# Altium PCB Sheet1.PcbDoc (continued)
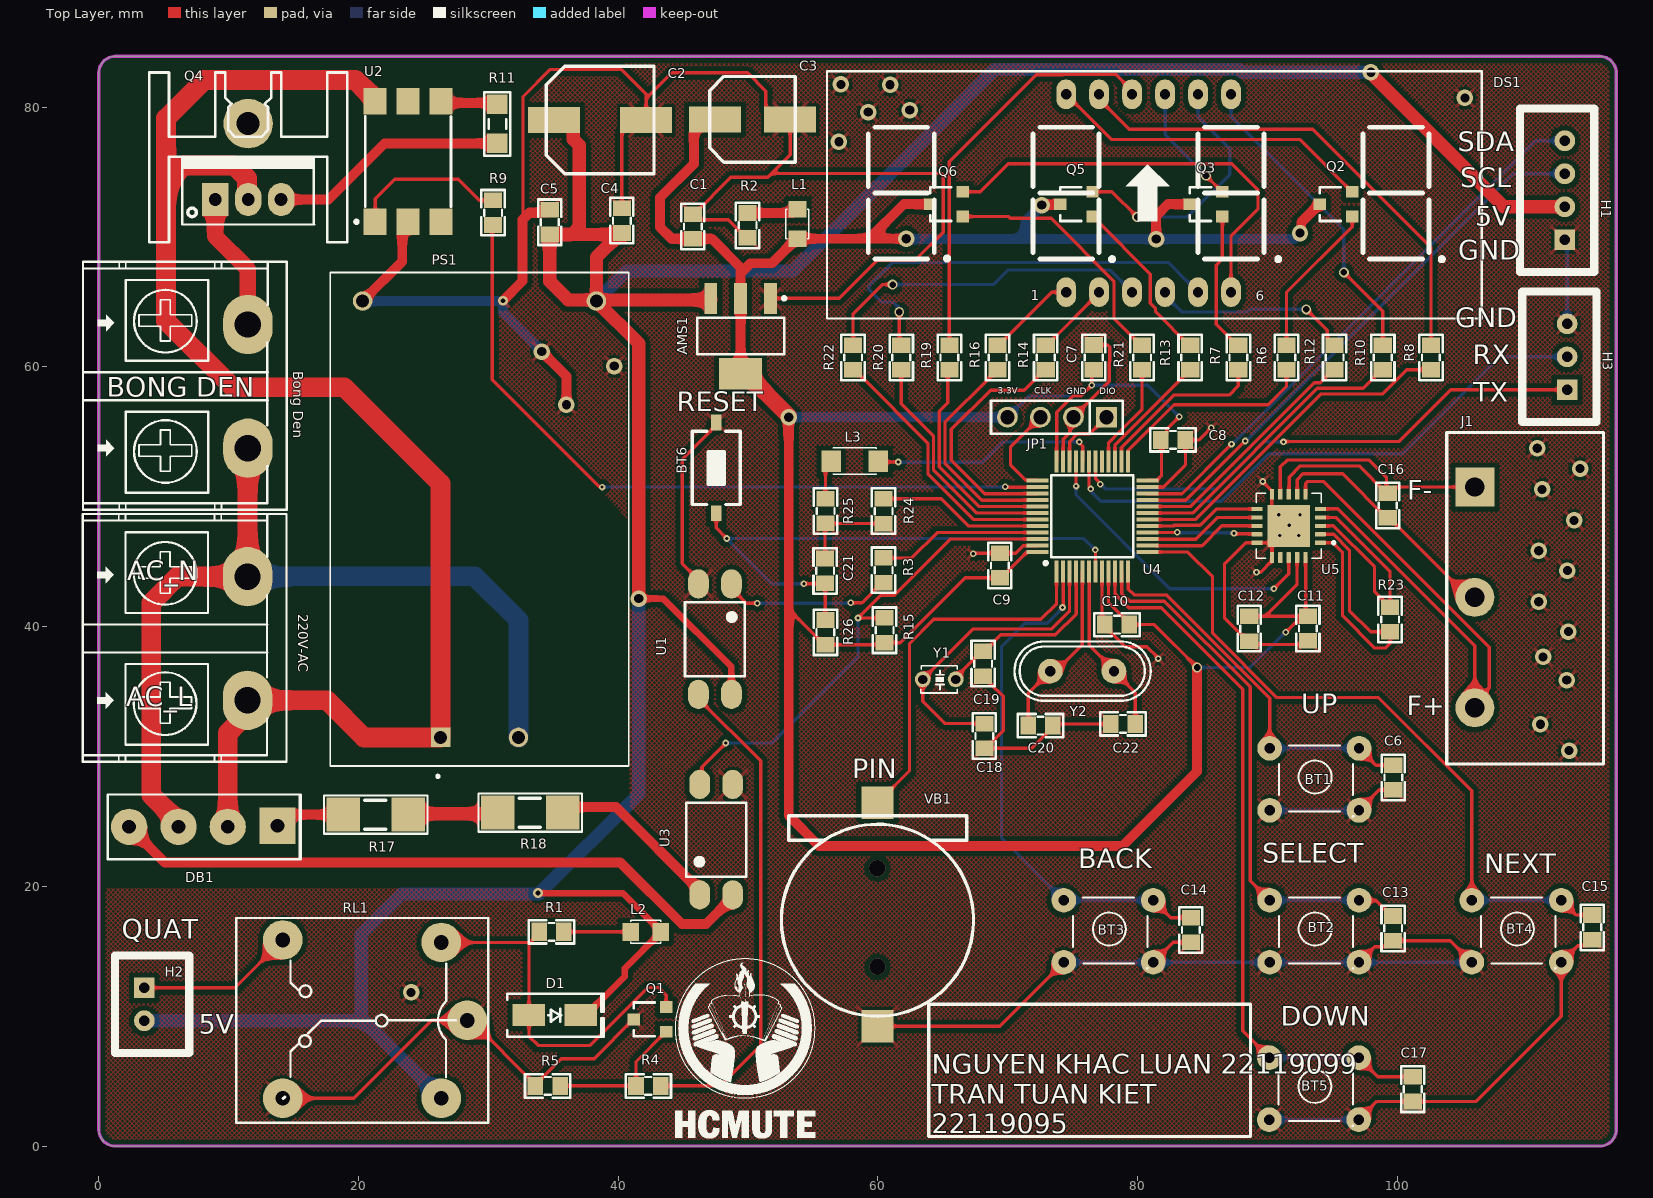
[diagram p0: Top Layer view]
## Part data (continued)
R1 R4 R15: library part "Tro 0805 5% 1k", "Dán", Chung_Loai=Dán, Don_Vi=Con, Ma_Hang=MH005234, So_Chan=2, Ten_Linh_Kien="Trở 0805 5% 1k"
R2: library part "Tro 0805 5% 100R", "Dán", Chung_Loai=Dán, Don_Vi=Con, Ma_Hang=MH005251, So_Chan=2, Ten_Linh_Kien="Trở 0805 5% 100R"
R3 R25: library part "Tro 0805 5% 220R", "Dán", Chung_Loai=Dán, Don_Vi=Con, Ma_Hang=MH005259, So_Chan=2, Ten_Linh_Kien="Trở 0805 5% 220R"
R5: library part "Tro 0805 5% 4.7k", "Dán", Chung_Loai=Dán, Don_Vi=Con, Ma_Hang=MH005307, So_Chan=2, Ten_Linh_Kien="Trở 0805 5% 4.7k"
R6 R7 R9 R13 R21: library part "Tro 0805 5% 150R", "Dán", Chung_Loai=Dán, Don_Vi=Con, Ma_Hang=MH005255, So_Chan=2, Ten_Linh_Kien="Trở 0805 5% 150R"
R8 R10 R12 R14 R16 R19 R20 R22: library part "Tro 0805 5% 75R", "Dán", Chung_Loai=Dán, Don_Vi=Con, Ma_Hang=MH005328, So_Chan=2, Ten_Linh_Kien="Trở 0805 5% 75R"
R11: library part "Tro 1206 5% 680R", "Dán", Chung_Loai=Dán, Don_Vi=Con, Ma_Hang=MH005928, So_Chan=2, Ten_Linh_Kien="Trở 1206 5% 680R"
R17 R18: library part "Tro 2010 5% 10k", "Dán", Chung_Loai=Dán, Don_Vi=Con, Ma_Hang=MH005617, So_Chan=2, Ten_Linh_Kien="Trở 2010 5% 103-10k"
R23: library part "Tro 0805 5% 470R", "Dán", Chung_Loai=Dán, Don_Vi=Con, Ma_Hang=MH005341, So_Chan=2, Ten_Linh_Kien="Trở 0805 5% 470R"
R24 R26: library part "Tro 0805 5% 10k", "Dán", Chung_Loai=Dán, Don_Vi=Con, Ma_Hang=MH005239, So_Chan=2, Ten_Linh_Kien="Trở 0805 5% 10k"
RL1: library part "Relay 5 Chan SRD", "Relay 5 Chan", Ma_Hang=MH009374, Ten="Relay 5V10A SRD-05VDC-SL-C Chính Hãng"
U1 U3: "Single Opto"
U4: library part IC_STM32F103C8T6, "ARM® Cortex®-M3 STM32F1 Microcontroller IC 32-Bit 72MHz 64KB (64K x 8) FLASH 48-LQFP (7x7)", Alternate Part Number-1=NA, Case/Package=LQFP48, Manufacturer=STMicroelectronics, Manufacturer Part Number=STM32F103C8T6, Supplier Part Number-1=STM32F103C8T6, Supplier-1=LCSC
U5: "RTD-to-Digital Converter", Package="QFN-20 Maxim", Check_prices=https://www.snapeda.com/parts/MAX31865ATP+T/Analog+Devices/view-part/?ref=eda, MF="Analog Devices", MP=MAX31865ATP+T, SnapEDA_Link=https://www.snapeda.com/parts/MAX31865ATP+T/Analog+Devices/view-part/?ref=snap
VB1: library part "De pin CR1220 SMD", Ma_Hang=MH000833, Ten="Đế PIN CR1220 SMD"
Y1: library part "Thach Anh 2 chan 32,768 Khz", "Crystal For all Crystal 2pin."
Y2: library part "Thach Anh 2 chan Cam", "Crystal For all Crystal 2pin."
BT6: Ma_Hang=MH001036, Ten="Nút Nhấn 2 Chân 3x6x2.5MM SMD"

## Via types
v1: diameter 0.508, hole 0.254, Top Layer to Bottom Layer, tented both sides, 29 vias
v2: diameter 1.27, hole 0.711, Top Layer to Bottom Layer, tented both sides, 29 vias
v3: diameter 0.762, hole 0.508, Top Layer to Bottom Layer, tented both sides, 7 vias
v4: diameter 0.508, hole 0.254, Top Layer to Bottom Layer, 5 vias
v5: diameter 0.762, hole 0.381, Top Layer to Bottom Layer, tented both sides, 2 vias
v6: diameter 1.27, hole 1.27, Top Layer to Bottom Layer, tented both sides, 2 vias

## Nets (pads, with @x,y where several pads share a name; then routed paths per layer and width w, separated by ;. In a path a pad name is that pad's centre, name@x,y a point inside that pad or via, vN(x,y) a via of type N, cw(c..) or ccw(c..) an arc to the next point about the centre after c; other vN are vias at no path point)
3.3V: AMS1.2 AMS1.4 C1.1 C3.1 C7.1 C8.1 C9.1 C10.1 C11.1 C12.1 JP1.4 L1.1 Q2.2 Q3.2 Q5.2 Q6.2 R15.2 R26.2 U4.9 U4.24 U4.36 U4.48 U5.19 U5.20 | length 272.7
  Top Layer w0.254: 53.137,41.332 55.856,38.613 R26.2 60.26,38.613 60.418,38.771 R15.2 61.733,38.771 66.72,43.758 C9.1 69.496,43.758 71.462,45.724 72.253,45.724 U4.48 ; U4.36 73.764,56.511 75.038,57.785 75.667,57.785 v1(76.479,58.598) 76.479,59.643 C7.1 ; U4.9 77.764,41.852 78.882,40.734 C10.1@78.882,40.634 ; C10.1 81.277,40.161 v3(84.582,36.855) ; U4.24 80.775,51.27 81.475,51.27 81.835,51.629 81.835,54.326 C8.1 82.255,54.851 82.255,55.204 v1(83.21,56.159) ; C12.1 89.814,40.792 ; v1(91.415,39.573) 92.22,40.378 92.543,40.378 92.634,40.469 C11.1@92.634,40.792 ; U5.19 92.278,45.316 92.278,43.256 89.814,40.792 ; U5.20 92.94,40.989 C11.1 93.096,40.792 C11.1@92.634,40.792 ; 89.814,40.792 C11.1@92.634,40.792
  Top Layer w0.762: C3.1 46.443,79.07 45.824,78.451 45.824,75.643 43.231,73.05 43.231,70.764 44.126,69.87 C1.1 47.224,69.87 49.428,67.666 49.428,67.234 ; AMS1.4 AMS1.2 49.428,67.234 ; v2(53.137,56.134) 53.137,41.332 53.137,25.451 55.474,23.114 78.842,23.114 84.582,28.854 v3(84.582,36.855) ; v2(62.187,69.868) 62.179,69.875 59.334,69.875 ; Q6.2 62.001,72.542 59.334,69.875 ; v2(72.619,72.466) 72.657,72.504 73.993,72.504 Q5.2 ; v2(81.432,69.85) 81.432,71.628 82.347,72.542 Q3.2 ; v2(92.507,70.307) 92.604,70.404 92.604,71.146 94,72.542 Q2.2 ; 49.428,67.234 49.644,67.45 50.182,67.988 51.846,67.988 53.734,69.875 L1.1 59.334,69.875
  Top Layer w1.27: AMS1.4 49.878,59.482 53.137,56.224 v2(53.137,56.134)
  Bottom Layer w0.254: JP1.4 71.603,57.76 75.641,57.76 v1(76.479,58.598) 80.772,58.598 v1(83.21,56.159) ; v3(84.582,36.855) 88.646,36.855 91.364,39.573 v1(91.415,39.573)
  Bottom Layer w0.762: v2(53.137,56.134) JP1.4@69.774,56.134 ; v2(62.187,69.868) 62.205,69.85 71.349,69.85 ; v2(72.619,72.466) 71.349,71.196 71.349,69.85 ; v2(92.507,70.307) 92.507,70.296 92.06,69.85 v2(81.432,69.85) 71.349,69.85
5V: AMS1.3 C2.1 C4.2 C5.1 D1.2 H1.2 H2.2 L2.1 PS1.4 RL1.5 U1.4 | length 253.8
  Top Layer w0.508: v5(33.833,19.482) 40.349,19.482 43.268,16.563 L2.1 43.268,16.436 40.506,13.674 40.506,13.061 37.528,10.084 D1.2 ; v2(41.58,42.164) 43.459,42.164 48.717,36.906 U1.4
  Top Layer w1.016: C2.1 36.052,79.019 36.544,78.527 36.544,77.527 37.002,77.069 37.002,70.795 36.407,70.2 ; C4.2 40.181,70.318 C4.2@40.063,70.2 ; v2(41.58,42.164) 41.58,61.815 PS1.4 ; AMS1.3 47.128,65.175 47.12,65.167 38.413,65.167 PS1.4 ; v2(97.968,82.702) 97.866,82.702 97.866,82.677 108.204,72.339 H1.2 ; 36.407,70.2 C5.1 34.725,66.595 36.153,65.167 38.227,65.167 PS1.4 ; 36.407,70.2 C4.2@40.063,70.2 ; PS1.4 38.32,68.457 C4.2@40.063,70.2
  Bottom Layer w1.016: H2.2 20.404,9.651 ; RL1.5 20.404,9.651 ; v5@33.833,19.406 23.292,19.406 20.218,16.332 20.218,9.836 20.404,9.651 ; v5@33.896,19.418 41.58,27.102 v2(41.58,42.164) ; PS1.4 40.631,67.386 53.442,67.386 68.961,82.906 87.829,82.906 88.033,82.702 v2(97.968,82.702)
a: R8.1 U4.18 | length 26.6
  Top Layer w0.254: U4.18 84.442,48.247 94.107,57.912 98.857,57.912 100.731,59.786 R8.1
b: R10.1 U4.19 | length 22.7
  Top Layer w0.254: U4.19 84.231,48.747 93.853,58.369 97.365,58.369 98.782,59.786 R10.1
BACK: BT3.1 C14.2 U4.2 | length 40.6
  Top Layer w0.254: v1(74.219,41.478) 74.264,41.524 U4.2 ; BT3.1@81.204,18.929 82.541,17.591 C14.2
  Bottom Layer w0.254: v1(74.219,41.478) 74.219,41.453 73.025,40.259 71.323,40.259 69.52,38.456 69.52,23.73 74.32,18.929 BT3.1@81.204,18.929
BIAS: R23.2 U5.1 U5.2 | length 23.8
  Top Layer w0.254: U5.1 95.016,46.462 95.783,45.695 95.783,40.843 98.273,38.354 99.085,38.354 99.441,38.71 R23.2 97.942,39.599 96.317,41.224 96.317,45.898 95.102,47.112 U5.2
BOOT0: R24.1 U4.44 | length 12.7
  Top Layer w0.254: R24.1 64.891,49.841 66.985,47.747 U4.44
BUSY: U4.33 U5.18 | length 23.7
  Top Layer w0.254: v1(75.26,50.825) 75.262,50.827 75.262,52.733 U4.33 ; v1(90.5,42.926) 91.64,44.066 U5.18 U5.18@91.616,45.304
  Bottom Layer w0.254: v1(75.26,50.825) 75.26,50.14 82.474,42.926 v1(90.5,42.926)
c: R12.1 U4.20 | length 18.8
  Top Layer w0.254: U4.20 84.071,49.247 93.599,58.776 94.063,58.776 95.074,59.786 R12.1
CR0: R15.1 U3.4 U4.46 | length 38.3
  Top Layer w0.254: U3.4 46.442,28.01 46.442,29.17 48.285,31.013 v1(48.285,31.039) ; v1(58.471,40.665) v1@58.477,40.671 ; R15.1 60.512,40.665 58.482,40.665 v1@58.477,40.671 ; U4.46 65.569,46.747 61.214,42.393 60.198,42.393 v1@58.477,40.671
  Bottom Layer w0.254: v1(48.285,31.039) 51.841,31.039 58.471,37.668 v1(58.471,40.665)
CS: U4.14 U5.13 | length 8.4
  Top Layer w0.254: U4.14@81.419,46.253 81.444,46.228 84.963,46.228 86.497,47.762 U5.13
d: R14.1 U4.39 | length 19.2
  Top Layer w0.254: U4.39 70.568,50.247 70.565,50.243 68.222,50.243 65.659,52.807 65.659,55.194 68.682,58.217 71.254,58.217 72.823,59.786 R14.1
DOWN: BT5.1 C17.2 U4.10 | length 55.5
  Top Layer w0.254: U4.10 78.264,42.538 78.381,42.421 78.381,42.385 79.313,41.453 81.813,41.453 88.087,35.179 88.087,8.865 BT5.1@90.145,6.807 ; BT5.1@97.028,6.807 98.501,5.334 C17.2
  Bottom Layer w0.254: BT5.1@90.145,6.807 BT5.1@97.028,6.807
dp: R22.1 U4.43 | length 20.3
  Top Layer w0.254: R22.1 58.19,59.786 58.663,59.313 63.856,54.121 63.856,51.782 67.39,48.247 U4.43
e: R16.1 U4.40 | length 17.2
  Top Layer w0.254: R16.1 69.115,59.786 68.642,59.313 68.642,59.213 65.166,55.737 65.166,52.593 68.011,49.747 U4.40
f: R19.1 U4.41 | length 16.6
  Top Layer w0.254: R19.1 65.38,59.659 65.38,57.226 64.725,56.572 64.725,52.326 67.804,49.247 U4.41
g: R20.1 U4.42 | length 18.1
  Top Layer w0.254: R20.1 61.798,57.15 64.287,54.661 64.287,52.057 67.597,48.747 U4.42
GND: AMS1.1 BT1.2 BT2.2 BT3.2 BT4.2 BT5.2 BT6.1 C1.2 C2.2 C3.2 C4.1 C5.2 C6.1 C7.2 C8.2 C9.2 C10.2 C11.2 C12.2 C13.1 C14.1 C15.1 C17.1 C18.2 C19.2 C20.2 C21.2 C22.2 H1.1 H3.3 JP1.2 PS1.3 Q1.2 R2.1 R5.1 R24.2 R25.1 RL1.1 RL1.2 U1.2 U2.2 U3.3 U4.8 U4.23 U4.35 U4.47 U5.10 U5.15 U5.16 U5.21 VB1.2 | length 378.5
  Top Layer w0.254: RL1.2 19.633,3.682 25.633,9.682 RL1.1 28.68,9.682 R5.1@33.624,4.738 ; 32.854,71.564 32.671,71.747 32.671,80.829 34.747,82.906 40.259,82.906 42.152,81.013 42.152,80.684 ; R5.1 R5.1@33.624,4.738 ; C4.1 40.281,78.146 41.154,79.019 C2.2 42.152,80.684 ; Q1.2 41.168,9.754 38.146,6.731 35.617,6.731 R5.1@33.624,4.738 ; C1.2@45.3,72.218 C1.2 ; U1.2@45.682,43.226 U1.2@45.746,43.29 ; U1.2 46.177,43.615 44.933,44.859 44.933,52.906 47.549,55.522 BT6.1 ; R2.1 49.862,69.957 48.47,71.349 46.17,71.349 C1.2 ; AMS1.1 57.027,65.282 59.961,68.216 62.857,68.216 65.024,70.383 65.024,74.756 64.875,74.905 51.816,74.905 ; R25.1@55.602,47.949 R25.1@55.702,47.949 ; C21.2 55.934,47.917 R25.1 55.975,47.941 R24.2 ; VB1.2 69.397,9.231 BT3.2@74.32,14.154 ; v1(67.335,45.618) 67.375,45.658 C9.2 C9.2@69.574,45.658 ; C19.2 68.197,36.195 68.67,35.722 68.67,35.622 69.647,34.646 69.647,31.985 C18.2@68.299,30.637 ; C18.2 C18.2@68.299,30.637 ; C9.2@69.396,45.481 69.485,45.569 C9.2@69.574,45.658 ; C9.2@69.869,45.954 C9.2@69.574,45.658 ; U4.47 72.253,46.224 71.192,46.224 70.627,45.658 C9.2@69.574,45.658 ; U4.35 74.264,54.427 74.799,54.962 74.799,55.876 JP1.2 77.826,58.903 77.826,60.389 77.855,60.418 77.855,61.54 77.706,61.689 C7.2 ; U4.8 77.264,41.433 77.264,40.252 79.061,38.456 80.721,38.456 81.585,37.592 v1(81.585,37.541) ; C22.2 73.609,32.511 C20.2 73.482,32.284 71.836,30.637 C18.2@68.299,30.637 ; U4.23 81.983,50.747 83.682,52.446 C8.2 84.731,54.378 v1(85.674,55.321) ; BT3.2@81.204,14.154 82.741,15.691 C14.1 C14.1@84.203,15.691 ; v1(89.154,44.196) 89.468,44.196 90.34,45.067 U5.16 90.34,46.462 U5.15 88.347,46.462 86.69,44.806 86.69,40.697 88.495,38.892 C12.2 88.854,38.633 92.837,38.633 C11.2 ; v1@89.637,51.308 v1(89.637,51.181) 89.637,51.161 90.34,50.457 90.34,49.062 U5.21@90.834,48.568 ; v4(90.881,48.616) 91.669,47.828 v4(91.669,47.803) ; v4(90.957,47.015) 90.957,47.08 91.669,47.791 U5.21 ; BT5.2@97.028,2.032 98.43,3.434 C17.1 106.075,3.434 112.625,9.984 112.625,14.154 113.893,15.422 114.542,15.422 C15.1 ; BT2.2@97.053,14.154 98.245,15.345 99.2,15.345 C13.1 104.077,15.818 BT4.2@105.742,14.154 ; BT1.2@97.053,25.857 98.628,27.432 C6.1 ; 42.152,80.684 44.12,82.652 49.962,82.652 51.37,81.244 51.37,79.943 52.243,79.07 C3.2 53.243,76.331 51.816,74.905 ; C1.2 45.849,71.77 48.679,74.6 51.511,74.6 51.816,74.905
  Top Layer w0.762: PS1.3 23.368,68.123 23.368,70.726 U2.2 ; v5(31.115,65.1) 32.636,66.622 32.636,71.346 32.854,71.564 33.171,71.881 34.506,71.881 C5.2 ; v2(34.112,61.189) 34.112,61.112 34.188,61.112 36.017,59.284 v2(36.017,57.099) ; v4(92.405,47.015) 91.669,47.752 v4(91.669,47.803) 91.68,47.803 92.493,48.616 v4(92.507,48.616)
  Bottom Layer w0.254: BT3.2@74.32,14.154 81.204,14.154 90.17,14.154 97.053,14.154 BT4.2@105.742,14.154 ; BT5.2@90.145,2.032 BT5.2@97.028,2.032 ; BT1.2@90.17,25.857 BT1.2@97.053,25.857 ; H1.1 113.081,69.621 H3.3
  Bottom Layer w0.762: PS1.3 31.09,65.075 v5(31.115,65.1) 31.115,64.186 v2(34.112,61.189)
  other v2: 24.054,11.836 113.233,30.455 111.023,32.487 113.055,35.89 111.227,37.668 113.182,39.624 110.896,41.91 113.106,44.323 110.896,45.847 113.614,48.184 111.15,50.571 114.071,52.172 110.769,53.746 39.7,60.071 56.998,77.343 59.258,79.629 62.459,79.781 105.207,80.721 60.935,81.737 57.15,81.763
L: 220V-AC.2 DB1.2 PS1.1 Q4.2 U2.6 | length 114.8
  Top Layer w1.524: DB1.2 9.931,31.805 11.455,33.329 220V-AC.2 17.58,34.328 20.433,31.475 PS1.1 26.32,51.023 18.898,58.445 10.287,58.445 5.182,63.551 5.182,74.193 ; Q4.2 11.409,72.994 11.409,74.536 10.427,75.518 6.506,75.518 5.182,74.193 ; U2.6 21.285,80.58 19.772,82.093 8.128,82.093 5.182,79.146 5.182,74.193
L1: R6.1 U4.25 | length 16.4
  Top Layer w0.254: U4.25 79.287,52.758 79.287,53.583 82.804,57.099 90.068,57.099 91.465,58.496 R6.1
L2: R7.1 U4.26 | length 13.3
  Top Layer w0.254: U4.26 78.764,53.822 82.779,57.836 87.046,57.836 87.757,58.547 R7.1
L3: R13.1 U4.27 | length 9.5
  Top Layer w0.254: U4.27 78.264,54.002 83.476,59.213 83.476,59.313 83.949,59.786 R13.1
L4: R21.1 U4.28 | length 8.1
  Top Layer w0.254: U4.28 77.764,54.162 78.555,54.953 80.34,56.738 R21.1
MISO: U4.16 U5.14 | length 8.5
  Top Layer w0.254: U4.16 80.756,47.251 83.037,47.251 v1(83.055,47.269) ; v1(87.427,47.193) 87.475,47.145 89.172,47.145 U5.14
  Bottom Layer w0.254: v1(83.055,47.269) 83.1,47.224 87.396,47.224 v1(87.427,47.193)
MOSI: U4.17 U5.11 | length 9
  Top Layer w0.254: U4.17 82.778,47.747 82.834,47.803 84.811,47.803 86.064,49.057 87.98,49.057 87.986,49.062 U5.11
N: 220V-AC.1 "Bong Den.2" DB1.3 PS1.2 | length 65.8
  Top Layer w1.524: DB1.3 6.147,24.931 4.039,27.039 4.039,41.834 6.058,43.853 220V-AC.1 ; 11.243,53.746 11.481,53.746 11.455,53.721 220V-AC.1 ; 220V-AC.1@11.43,43.828 220V-AC.1
  Bottom Layer w1.524: 13.487,43.878 28.943,43.878 32.32,40.502 PS1.2
"NetBong Den_1": "Bong Den.1" Q4.1 | length 11.9
  Top Layer w0.762: 10.871,64.262 10.871,63.881 11.481,63.271
  Top Layer w1.27: Q4.1 8.966,70.054 11.481,67.539 11.481,64.262 11.481,63.881 11.481,63.271
NetC16_1: C16.1 J1.2 U5.7 | length 18.9
  Top Layer w0.254: U5.7 92.29,51.32 92.735,51.765 95.788,51.765 99.163,48.391 C16.1 99.363,48.391 105.497,42.257 J1.2
NetC16_2: C16.2 J1.1 U5.8 U5.9 | length 29.3
  Top Layer w0.254: U5.9 90.99,52.306 91.516,52.832 97.841,52.832 99.163,51.51 C16.2@99.163,50.291 ; U5.8 91.669,50.226 91.669,51.511 92.532,52.375 97.079,52.375 C16.2@99.163,50.291 ; J1.1 99.729,50.757 C16.2 C16.2@99.163,50.291
NetD1_1: D1.1 Q1.3 R1.2 RL1.4 | length 29.1
  Top Layer w0.254: RL1.4 33.2,15.682 ; R1.2 33.918,16.4 33.2,15.682 ; Q1.3@43.718,10.704 Q1.3 43.693,11.628 43.104,12.217 42.301,12.217 37.831,7.747 33.833,7.747 33.128,8.452 D1.1 33.128,15.61 33.2,15.682
NetDB1_1: DB1.1 R17.1 | length 5.4
  Top Layer w0.762: DB1.1 14.629,25.526 R17.1
NetDB1_4: DB1.4 U3.2 | length 50.6
  Top Layer w0.762: DB1.4 5.08,21.844 40.155,21.844 44.905,17.094 46.76,17.094 48.819,19.153 U3.2
NetDS1_1: DS1.1 R16.2 | length 7
  Top Layer w0.254: R16.2 69.315,61.686 73.389,65.761 DS1.1
NetDS1_2: DS1.2 R14.2 | length 5.8
  Top Layer w0.254: R14.2 73.023,61.686 77.038,65.701 DS1.2
NetDS1_3: DS1.3 R22.2 | length 26
  Top Layer w0.254: R22.2 58.09,64.11 60.325,66.345 v3(61.138,66.345)
  Bottom Layer w0.254: v3(61.138,66.345) 68.868,66.345 69.986,67.462 77.876,67.462 78.954,66.385 78.992,66.385 79.578,65.798 DS1.3
NetDS1_4: DS1.4 R12.2 | length 15.5
  Top Layer w0.254: v3(92.989,64.44) 94.601,62.828 94.601,62.159 95.074,61.686 R12.2
  Bottom Layer w0.254: DS1.4 82.118,65.507 83.388,64.237 88.451,64.237 88.654,64.44 v3(92.989,64.44)
NetDS1_5: DS1.5 R20.2 | length 33.2
  Top Layer w0.254: v3(61.646,64.237) 61.646,61.839 R20.2
  Bottom Layer w0.254: v3(61.646,64.237) 61.646,64.541 61.189,64.999 60.283,64.999 59.287,65.995 59.287,66.205 61.129,68.047 82.372,68.047 84.034,66.385 84.072,66.385 84.658,65.798 DS1.5
NetDS1_7: DS1.7 R10.2 | length 24.2
  Top Layer w0.254: v3(95.885,67.285) 98.882,64.287 R10.2
  Bottom Layer w0.254: DS1.7 87.198,79.273 95.885,70.587 v3(95.885,67.285)
NetDS1_10: DS1.10 R19.2 | length 31.8
  Top Layer w0.254: R19.2 65.507,75.819 72.187,82.499 74.234,82.499 74.26,82.525 78.308,82.525 79.578,81.255 DS1.10
NetDS1_11: DS1.11 R8.2 | length 38.2
  Top Layer w0.254: DS1.11 77.038,80.62 79.35,78.308 93.497,78.308 102.591,69.215 R8.2
NetJ1_3: J1.3 U5.5 U5.6 | length 46.1
  Top Layer w0.254: U5.6 92.94,51.032 93.089,51.181 94.31,51.181 107.086,38.405 107.086,35.299 J1.3@105.969,34.182 ; U5.5 94.085,49.073 95.428,49.073 105.969,38.532 J1.3@105.969,34.182 ; J1.3 J1.3@105.969,34.182
NetL1_2: L1.2 R2.2 | length 4
  Top Layer w0.762: R2.2 53.429,71.857 53.734,72.161 L1.2
NetL2_2: L2.2 R1.1 | length 5.2
  Top Layer w0.254: R1.1 L2.2
NetL3_2: L3.2 R25.2 | length 3.1
  Top Layer w0.254: R25.2 55.966,52.309 L3.2
NetQ1_1: Q1.1 R4.1 R5.2 | length 11
  Top Layer w0.254: R5.2 R4.1 41.371,6.506 43.668,8.804 Q1.1
NetQ2_1: Q2.1 R6.2 | length 12
  Top Layer w0.254: R6.2 91.465,65.735 96.525,70.795 Q2.1
NetQ3_1: Q3.1 R7.2 | length 10.9
  Top Layer w0.254: Q3.1 86.528,68.324 86.055,67.851 86.055,63.288 87.657,61.686 R7.2
NetQ4_3: Q4.3 R11.2 | length 18.4
  Top Layer w0.762: Q4.3 17.677,72.897 21.995,77.215 R11.2
NetQ5_1: Q5.1 R13.2 | length 13.1
  Top Layer w0.254: Q5.1 76.556,71.592 76.879,71.269 76.879,71.244 80.975,67.148 80.975,64.906 81.382,64.5 81.382,64.253 83.949,61.686 R13.2
NetQ6_1: Q6.1 R21.2 | length 19.6
  Top Layer w0.254: Q6.1 70.043,71.592 70.185,71.45 73.346,71.45 78.181,66.615 78.181,63.745 80.24,61.686 R21.2
NetR3_2: R3.2 U1.1 | length 13.2
  Top Layer w0.254: U1.1 48.717,42.965 49.874,41.808 v1(50.698,41.808) ; v1(57.912,41.834) 58.782,41.834 60.342,43.394 R3.2
  Bottom Layer w0.254: v1(50.698,41.808) 57.887,41.808 v1(57.912,41.834)
NetR4_2: R4.2 U1.3 | length 38
  Top Layer w0.254: R4.2 47.844,4.638 50.978,7.772 50.978,29.664 46.177,34.465 U1.3
NetR9_2: R9.2 U2.1 | length 12.1
  Top Layer w0.254: U2.1 21.285,72.948 22.784,74.447 27.686,74.447 29.298,72.835 R9.2
NetR11_1: R11.1 U2.4 | length 4.4
  Top Layer w0.762: U2.4 26.484,80.334 30.564,80.334 R11.1
NetR17_2: R17.2 R18.1 | length 6.7
  Top Layer w1.016: R17.2 23.888,25.589 30.405,25.589 R18.1@30.469,25.653
NetR18_2: R18.2 U3.1 | length 14.1
  Top Layer w0.762: R18.2@35.469,25.653 35.927,26.111 39.839,26.111 46.321,19.629 U3.1@46.321,19.304
NetR23_1: R23.1 U5.3 U5.4 | length 19
  Top Layer w0.254: U5.3 95.083,47.762 98.247,44.598 98.247,42.692 98.868,42.072 98.868,41.972 99.341,41.499 R23.1 99.441,44.247 95.275,48.412 U5.4
NEXT: BT4.1 C15.2 U4.13 | length 53.3
  Top Layer w0.254: U4.13 80.754,45.745 83.871,45.745 85.776,43.84 85.776,39.497 90.729,34.544 98.552,34.544 105.742,27.354 BT4.1@105.742,18.929 ; BT4.1@112.625,18.929 113.76,17.795 C15.2
  Bottom Layer w0.254: BT4.1@105.742,18.929 BT4.1@112.625,18.929
NO: H2.1 RL1.3 | length 12.2
  Top Layer w0.254: H2.1 10.49,12.191 RL1.3
OSCIN: C20.1 U4.5 Y2.2 | length 13.9
  Top Layer w0.254: C20.1 71.582,34.876 Y2.2 73.709,36.575 75.745,38.61 75.745,44.239 U4.5
OSCOUT: C22.1 U4.6 Y2.1 | length 12.4
  Top Layer w0.254: U4.6@76.253,43.459 76.284,43.428 76.284,38.587 78.181,36.69 Y2.1 79.827,34.929 C22.1
PC13: L3.1 U4.32 | length 17.8
  Top Layer w0.254: L3.1 60.096,52.68 v1(61.57,52.68) ; v1(75.514,54.229) 75.563,54.18 75.563,54.091 75.769,53.884 75.769,52.74 U4.32
  Bottom Layer w0.254: v1(61.57,52.68) 61.595,52.654 68.071,52.654 69.645,54.229 v1(75.514,54.229)
PC14: C18.1 U4.3 Y1.2 | length 23.7
  Top Layer w0.254: C18.1 65.176,32.537 63.449,34.265 Y1.2 67.335,39.827 73.381,39.827 74.752,41.199 74.752,44.247 U4.3
PC15: C19.1 U4.4 Y1.1 | length 14.7
  Top Layer w0.254: Y1.1 65.989,36.087 67.997,38.095 C19.1 68.197,38.095 69.472,39.37 73.66,39.37 75.264,40.974 U4.4
Relay: R3.1 U4.45 | length 12.6
  Top Layer w0.254: R3.1 62.603,45.294 64.556,47.247 U4.45
RESET: BT6.2 C21.1 R26.1 U4.7 | length 44.7
  Top Layer w0.254: BT6.2 47.549,47.6 v1(48.362,46.787) ; v1(54.305,43.307) 55.889,43.307 C21.1 55.956,43.33 R26.1 R26.1@56.056,40.513 ; v1(76.747,45.91) 76.756,45.901 76.756,44.268 U4.7
  Bottom Layer w0.254: v1(54.305,43.307) 51.841,43.307 v1(48.362,46.787) 75.87,46.787 v1(76.747,45.91)
RX: H3.2 U4.31 | length 44
  Top Layer w0.254: U4.31 76.264,50.771 76.399,50.636 v1(76.399,50.607)
  Bottom Layer w0.254: v1(76.399,50.607) 76.448,50.558 76.448,50.373 77.164,49.657 86.436,49.657 90.094,53.315 100.406,53.315 107.874,60.782 H3.2
S1: DS1.12 Q2.3 | length 25.2
  Top Layer w0.254: DS1.12 74.498,80.963 75.085,80.377 75.122,80.377 77.978,77.521 92.472,77.521 96.5,73.492 Q2.3
S2: DS1.9 Q3.3 | length 9.3
  Top Layer w0.254: v3(85.268,74.727) 86.503,73.492 Q3.3
  Bottom Layer w0.254: DS1.9 82.118,77.876 v3(85.268,74.727)
S3: DS1.8 Q5.3 | length 19.9
  Top Layer w0.254: Q5.3 78.019,73.492 v3(79.959,71.552)
  Bottom Layer w0.254: v3(79.959,71.552) 83.829,71.552 87.097,74.819 87.097,76.81 84.658,79.248 DS1.8
S4: DS1.6 Q6.3 | length 33.2
  Top Layer w0.254: Q6.3 67.879,73.492 70.028,75.641 87.249,75.641 89.28,73.61 89.28,72.187 87.198,70.105 DS1.6
SCK: U4.15 U5.12 | length 9.2
  Top Layer w0.254: U4.15 80.763,46.736 84.48,46.736 86.157,48.412 U5.12
SCL: H1.3 U4.21 | length 42.6
  Top Layer w0.254: U4.21 83.707,49.747 88.256,54.296 v1(88.299,54.296)
  Bottom Layer w0.254: v1(88.299,54.296) 88.339,54.296 108.922,74.879 H1.3
SDA: H1.4 U4.22 | length 43.4
  Top Layer w0.254: U4.22 83.42,50.247 86.946,53.773 86.946,53.78 v1(87.229,54.063)
  Bottom Layer w0.254: v1(87.229,54.063) 87.298,54.063 87.774,54.539 87.774,54.551 110.642,77.419 H1.4
SELECT: BT2.1 C13.2 U4.11 | length 41.6
  Top Layer w0.254: U4.11 78.787,44.236 78.787,42.553 79.38,41.961 82.067,41.961 88.671,35.357 88.671,20.427 BT2.1@90.17,18.929 ; BT2.1@97.053,18.929 97.077,18.905 98.387,18.905 99.573,17.718 C13.2
  Bottom Layer w0.254: BT2.1@90.17,18.929 BT2.1@97.053,18.929
SWCLK: JP1.3 U4.37 | length 7.2
  Top Layer w0.254: U4.37 72.253,51.27 71.403,51.27 70.206,52.468 70.206,53.823 JP1.3
SWDIO: JP1.1 U4.34 | length 5.1
  Top Layer w0.254: U4.34 74.764,54.25 75.37,54.856 76.319,54.856 JP1.1
TRIAC: R9.1 U4.38 | length 57.4
  Top Layer w0.254: R9.1 30.297,70.869 30.297,59.009 38.509,50.798 38.712,50.798 v1(38.76,50.749) ; v1(69.801,50.777) 69.83,50.747 U4.38
  Bottom Layer w0.254: v1(38.76,50.749) 38.774,50.763 69.787,50.763 v1(69.801,50.777)
TX: H3.1 U4.30 | length 41.2
  Top Layer w0.254: U4.30 76.764,51.397 77.114,51.047 v1(77.114,50.978) ; v1(91.237,54.229) 91.262,54.254 100.127,54.254 104.115,58.242 H3.1
  Bottom Layer w0.254: v1(77.114,50.978) 77.183,50.978 77.564,50.597 86.072,50.597 89.704,54.229 v1(91.237,54.229)
UP: BT1.1 C6.2 U4.12 | length 29.3
  Top Layer w0.254: U4.12@79.264,43.909 79.287,43.886 79.287,42.887 79.731,42.443 82.22,42.443 90.17,34.493 BT1.1@90.17,30.632 ; BT1.1@97.053,30.632 98.354,29.332 C6.2
  Bottom Layer w0.254: BT1.1@90.17,30.632 BT1.1@97.053,30.632
VBAT: U4.1 VB1.1 | length 28.4
  Top Layer w0.254: VB1.1 62.433,28.895 62.433,38.684 64.313,40.564 72.55,40.564 73.762,41.775 73.762,44.256 U4.1
pads on no net: Q4.0 U2.3 U2.5 U4.29 U5.17
copper on no net:
  other v6: 59.969,13.805 59.964,21.41

## Polygon pours and split planes (outlines as drawn)
GND on Bottom Layer "GND BOTTOM" (hatched 90Degree grid 0.381 track 0.127, remove dead copper, pour order 3): -0.002,83.106 0.94,84.049 116.891,84.049 116.891,0.356 116.459,-0.076 116.445,-0.062 0.424,-0.062
GND on Top Layer "GND TOP" (hatched 45Degree grid 0.254 track 0.051, remove dead copper, pour order 5): 0,83.744 116.637,83.744 116.637,0.33 115.748,-0.559 115.291,-0.102 0.394,-0.102

## Keep-outs
Keep-Out Layer:
  lines w0.254: 0,1.27 ccw(c1.27,1.27) 1.27,0 2.642,0 115.595,0 ccw(c115.595,1.27) 116.865,1.27 116.865,82.652 ccw(c115.595,82.652) 115.595,83.922 1.27,83.922 ccw(c1.27,82.652) 0,82.652 0,1.27

## Other copper
Top Layer:
  pour cut-out: -1.778,83.998 -1.6,83.82 30.201,83.82 29.972,83.591 30.201,59.563 40.691,48.336 40.971,21.175 38.202,19.837 -1.194,19.837 -1.372,20.015
Bottom Layer:
  pour cut-out: 0.229,83.972 0.381,84.125 31.674,84.125 31.674,68.529 31.293,68.148 18.694,68.148 18.72,68.123 18.72,63.348 21.234,63.348 40.792,43.79 40.792,26.772 40.64,26.772 33.274,19.406 -0.102,19.406

## Silkscreen, mask and mechanical layers (free items; w line width, h text height)
Top Overlay:
  drawing of 23 lines, arcs and shapes, not listed
  text "SDA" at 104.673,76.632 h1.52
  text "SCL" at 104.851,73.838 h1.52
  text "5V" at 106.02,70.866 h1.52
  text "GND" at 104.699,68.25 h1.52
  text "GND" at 104.445,63.043 h1.52
  text "RX" at 105.816,60.223 h1.52
  text "3.3V" at 69.24,57.937 h0.51
  text "CLK" at 72.034,57.937 h0.51
  text "GND" at 74.498,57.912 h0.51
  text "DIO" at 77.038,57.912 h0.51
  text "BONG DEN" at 0.61,57.709 h1.52
  text "TX" at 105.842,57.328 h1.52
  text "RESET" at 44.526,56.591 h1.52
  text "F-" at 100.762,49.784 h1.52
  text "AC_N" at 2.21,43.561 h1.52
  text "AC_L" at 2.134,33.858 h1.52
  text "UP" at 92.608,33.325 h1.52
  text "F+" at 100.711,33.172 h1.52
  text "PIN" at 58.014,28.321 h1.52
  text "SELECT" at 89.611,21.819 h1.52
  text "BACK" at 75.413,21.387 h1.52
  text "NEXT" at 106.68,21.006 h1.52
  text "QUAT" at 1.778,15.977 h1.52
  text "DOWN" at 91.008,9.271 h1.52
  text "5V" at 7.696,8.661 h1.52
  text "NGUYEN KHAC LUAN 22119099 / TRAN TUAN KIET / 22119095" at 64.16,0.991 h1.52

## Text inside footprints (layer, text, board x,y; h text height)
DS1: Top Overlay "1" at 71.755,65.151 h0.76; Top Overlay "6" at 89.103,65.1 h0.76